# Allegro board BRD_05101_01_rev_b01_aa.brd (continued)
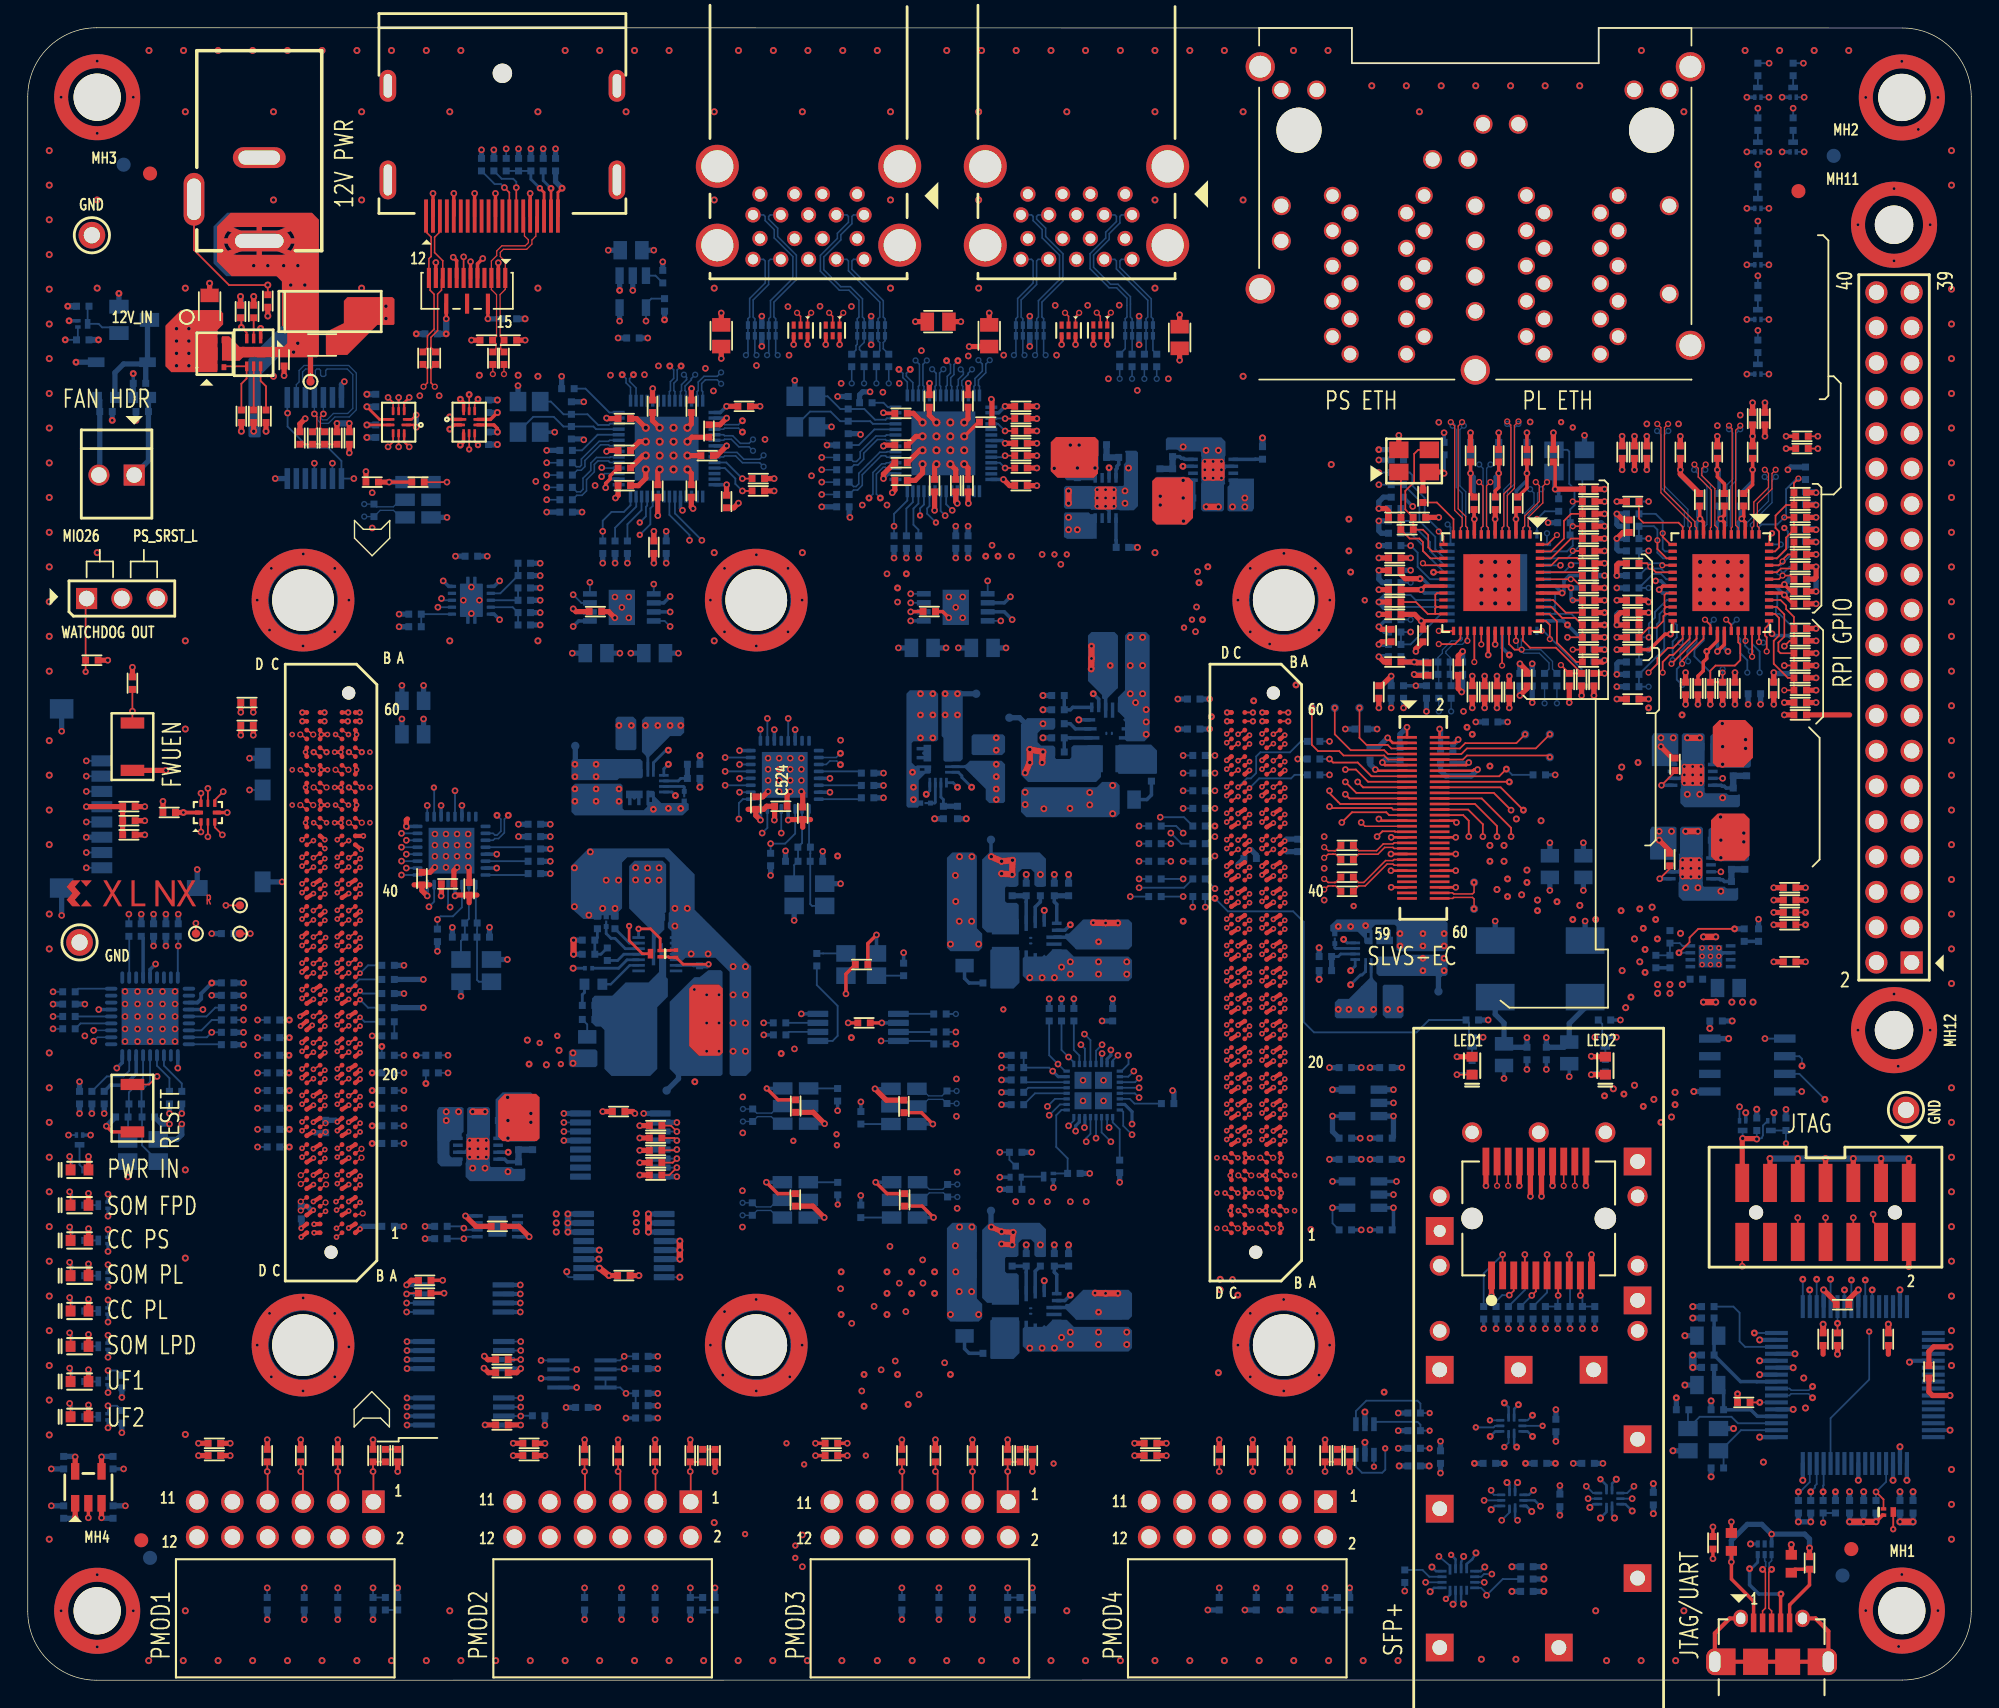
[diagram p0: board, top side]
## Routing (per net, layer and track width the routed paths; a pad name or vN(x,y) marks a point on that pad's centre or on a via; arc(x,y) is an arc through that point) (continued)
N4424560: length 2.5
  BOTTOM w0.132: R488.2 71.57,35.4 Q33.1 71.61,36.27 Q34.3
N4546556: length 2.1
  BOTTOM w0.132: U85.7 v5(35.51,19.03) 35.53,19.05 R487.1
N4939590: length 2.4
  BOTTOM w0.132: U91.2 54.83,46.69 R507.2

## Copper pours and planes (outline as drawn; the poured copper is in the pictures)
5V0_IN on TOP (solid shape): 50.07,49.82 50.07,45.19 49.85,44.97 48.35,44.97 47.65,45.67 47.65,49.82 47.92,50.09 49.8,50.09
5V0_IN on BOTTOM (solid shape): 50.05,51.01 50.05,43.64 49.92,43.52 46.75,43.52 46.24,44.03 46.24,48.85 48.02,50.63 48.4,50.63 49.03,51.14 49.92,51.14
5V0_IN on BOTTOM (solid shape): 78.53,75.23 78.53,71.47 77.73,70.66 77.52,70.66 77.46,70.66 77.39,70.72 77.39,70.94 76.37,71.96 76.37,75.23 76.63,75.48 78.28,75.48
5V0_IN on BOTTOM (solid shape): 79.55,54.53 79.55,52.88 79.29,52.62 75.53,52.62 74.73,53.43 74.73,53.63 74.72,53.7 74.79,53.77 75.01,53.77 76.03,54.78 79.29,54.78
5V0_IN on BOTTOM (solid shape): 79.55,27.86 79.55,26.21 79.29,25.95 75.53,25.95 74.73,26.76 74.73,26.96 74.72,27.03 74.79,27.1 75.01,27.1 76.03,28.11 79.29,28.11
5V0_IN on BOTTOM (solid shape): 47.29,69.26 47.29,68.25 47.04,67.99 46.27,67.99 44.72,66.44 44.64,66.41 44.56,66.47 44.5,66.59 44.24,66.85 44.24,69.13 44.5,69.39 47.16,69.39
5V0_IN on BOTTOM (solid shape): 70.4,65.96 70.4,63.29 70.28,63.17 69.26,63.17 69.01,63.42 69.01,64.18 67.46,65.73 67.43,65.82 67.48,65.9 67.61,65.96 67.86,66.21 70.15,66.21
5V0_IN on BOTTOM (solid shape): 96.72,50.62 96.81,50.65 96.88,50.59 96.95,50.47 97.2,50.21 97.2,47.93 96.95,47.67 94.28,47.67 94.15,47.8 94.15,48.81 94.41,49.07 95.17,49.07
5V0_IN on BOTTOM (solid shape): 31.39,41.19 31.39,39.5 31.27,39.37 31.27,38.99 31.16,38.91 30.53,38.91 30.44,38.81 30.38,38.73 30.38,38.65 30.38,37.9 30.38,37.84 30.39,37.83 30.48,37.69 30.63,37.64 31.21,37.64 31.27,37.59 31.29,37.38 31.29,37.13 31.16,37 29.76,37 29.51,37.26 29.49,39.3 29.49,41.05 29.62,41.27 31.27,41.27
5V0_IN on L08_PWR: 55.07,26.72 52.48,27.79 51.1,27.52 49.92,26.75 49.32,27.35 47.04,27.35 46.27,28.11 46.27,29.76 44.24,31.8 44.24,33.83 45.39,34.97 66.47,34.97 66.47,46.5 55.04,46.5 55.04,44.5 38.15,44.5 32.56,38.91 30.4,38.91 29.76,39.54 29.76,62.53 30.78,63.55 34.84,63.55 35.73,62.66 35.73,59.99 36.24,59.48 37.51,59.48 38.15,58.85 38.15,56.18 38.65,55.67 45.7,55.67 47.8,57.89 47.8,64.18 38.78,73.2 38.78,77.52 39.04,77.77 48.89,77.77 52.48,74.2 56.07,77.77 76.63,77.77 78.66,75.74 78.66,69.77 70.79,69.77 70.79,59.86 91.99,59.86 91.99,49.83 97.07,49.83 97.33,49.58 97.33,20.75 94,17.42 59.26,17.42 55.1,21.58 55.87,22.75 56.14,24.13 ; 1 cut-out
5V0_IN on L12_SIG: 41.58,34.46 44.88,34.46 45.51,33.83 45.51,29.26 44.62,28.37 41.32,28.37 40.69,29 40.69,33.57
5V0_IN_SW on BOTTOM (solid shape): 45.99,51.9 45.99,50.63 46.11,50.5 46.11,49.23 45.35,48.47 45.35,44.03 44.84,43.52 42.05,43.52 41.54,44.03 41.54,46.82 41.29,47.07 40.91,47.07 40.65,47.33 40.65,49.11 40.84,49.3 42.11,49.3 43.07,50.25 44.72,50.25 45.48,51.01 45.48,52.15 45.61,52.28
12V_IN on TOP (solid shape): 14.08,98.44 14.08,97.64 13.67,97.23 13.67,94.25 13.62,94.19 10.34,94.19 9.91,94.63 9.91,97.55 11.03,98.67 13.85,98.67
12V_IN on BOTTOM (solid shape): 45.99,58.76 45.99,55.33 45.86,55.2 45.86,54.06 45.22,53.42 45.22,52.41 44.97,52.41 44.97,53.93 43.32,55.58 43.32,58.63 43.7,59.01 45.73,59.01
12V_IN on L07_PWR: 1.82,95.8 3.22,97.2 18.72,97.2 21.26,94.66 21.26,83.61 20.24,82.6 19.1,82.6 14.52,78.02 14.52,67.23 15.16,66.59 47.93,66.59 48.56,65.96 48.56,57.7 48.05,57.2 42.59,57.2 40.94,55.55 40.94,51.48 39.42,49.96 4.49,49.96 1.82,52.62
12V_IN on L08_PWR: 9.95,83.87 9.95,96.06 10.21,96.31 19.6,96.31 21.26,94.66 21.26,87.17 30.91,77.52 33.32,77.52 46.91,63.93 46.91,57.83 45.64,56.56 38.91,56.56 38.53,56.94 38.53,59.48 38.02,59.99 37,59.99 36.24,60.75 36.24,62.78 34.97,64.05 29,64.05 28.24,64.82 28.24,72.56 27.61,73.2 15.67,73.2 13.19,75.68 13.19,80.88 12.24,81.83 11.98,81.83 ; 1 cut-out
12V_IN_JACK on TOP (solid shape): outline of 96 points within 13.64,95.26 20.97,105.68
12V_IN_JACK on BOTTOM (solid shape): outline of 97 points within 13.38,89.5 20.97,105.68
12V_IN_SOURCE on TOP (solid shape): 15.26,96.03 15.58,96.03 15.62,96.02 15.65,96.02 16.13,96.02 16.13,95.39 16.01,95.26 15.51,95.26 15.26,95.01 14.4,95.01 14.35,95.02 14.31,95.03 13.99,95.03 13.99,96.79 14.5,96.79
GND on TOP (solid shape): 33.26,38.84 33.26,37.73 33.02,37.49 31.83,37.49 31.6,37.72 31.6,38.84 31.82,39.06 33.04,39.06
GND on TOP (solid shape): 78.43,85.73 78.43,84.54 78.2,84.31 77.08,84.31 76.86,84.53 76.86,85.75 77.08,85.97 78.19,85.97
GND on TOP (solid shape): 86.22,87.72 86.22,86.6 86,86.38 84.78,86.38 84.56,86.6 84.56,87.71 84.8,87.95 85.99,87.95
GND on TOP (solid shape): 120.64,59.03 120.64,57.92 120.4,57.68 119.21,57.68 118.98,57.91 118.98,59.03 119.2,59.25 120.42,59.25
GND on TOP (solid shape): 120.77,65.76 120.77,64.65 120.53,64.41 119.34,64.41 119.11,64.64 119.11,65.09 119.16,65.17 119.17,65.26 119.17,65.83 119.32,65.98 120.54,65.98
GND on TOP (solid shape): 26.42,99.46 26.42,97.68 26.35,97.6 25.18,97.6 23.02,95.44 21.52,95.44 21.47,95.49 21.47,97.09 22.77,97.73 22.77,99.33 23.02,99.6 26.27,99.6
GND on TOP (solid shape): outline of 229 points within 1.9,110.9 8.1,117.1
GND on TOP (solid shape): outline of 229 points within 1.9,1.9 8.1,8.1
GND on TOP (solid shape): outline of 229 points within 131.34,101.71 137.54,107.92
GND on TOP (solid shape): outline of 229 points within 131.34,43.71 137.54,49.92
GND on TOP (solid shape): outline of 229 points within 131.9,110.88 138.1,117.08
GND on TOP (solid shape): outline of 229 points within 131.9,1.91 138.1,8.12
GND on TOP (solid shape): outline of 248 points within 16.13,74.08 23.53,81.48
GND on TOP (solid shape): outline of 248 points within 16.13,20.43 23.53,27.83
GND on TOP (solid shape): outline of 248 points within 48.78,74.08 56.18,81.48
GND on TOP (solid shape): outline of 248 points within 48.78,20.43 56.18,27.83
GND on TOP (solid shape): outline of 248 points within 86.78,74.08 94.18,81.48
GND on TOP (solid shape): outline of 248 points within 86.78,20.43 94.18,27.83
GND on BOTTOM (solid shape): 41.03,45.3 41.03,44.28 40.91,44.15 39.13,44.15 38.98,44.31 38.98,45.27 39.13,45.42 40.91,45.42
GND on BOTTOM (solid shape): 43.84,69.16 43.84,67.07 43.74,66.98 42.46,66.98 42.34,67.1 42.34,69.23 42.5,69.39 43.61,69.39
GND on BOTTOM (solid shape): 70.4,67.96 70.4,66.85 70.18,66.62 68.08,66.62 67.99,66.71 67.99,67.99 68.12,68.12 70.24,68.12
GND on BOTTOM (solid shape): 99.11,49.96 99.11,47.83 98.95,47.67 97.84,47.67 97.61,47.9 97.61,49.99 97.7,50.08 98.98,50.08
GND on BOTTOM (solid shape): 68.37,59.36 68.37,54.15 68.75,53.77 68.75,52.75 68.5,52.5 66.47,52.5 66.21,52.75 66.21,59.23 66.59,59.61 68.12,59.61
GND on BOTTOM (solid shape): 68.37,32.69 68.37,27.48 68.75,27.1 68.75,26.08 68.5,25.83 66.47,25.83 66.21,26.08 66.21,32.56 66.59,32.94 68.12,32.94
GND on BOTTOM (solid shape): 78.66,64.44 78.66,62.4 78.41,62.15 71.93,62.15 71.55,62.53 71.55,64.05 71.8,64.31 77.01,64.31 77.39,64.69 78.41,64.69
GND on BOTTOM (solid shape): 75.36,52.12 79.29,52.12 79.55,51.86 79.55,50.59 79.29,50.34 72.06,50.34 71.67,50.72 71.67,51.99 71.8,52.12 73.33,52.12 73.83,52.62 74.85,52.62
GND on BOTTOM (solid shape): 75.36,25.45 79.29,25.45 79.55,25.19 79.55,23.92 79.29,23.67 72.06,23.67 71.67,24.05 71.67,25.32 71.8,25.45 73.33,25.45 73.83,25.95 74.85,25.95
GND on BOTTOM (solid shape): 80.82,75.23 80.82,67.99 80.44,67.61 79.17,67.61 79.04,67.74 79.04,69.26 78.53,69.77 78.53,70.79 79.04,71.29 79.04,75.23 79.29,75.48 80.56,75.48
GND on BOTTOM (solid shape): 42.85,64.44 42.85,64.32 42.84,64.32 42.84,63.26 42.85,63.26 42.85,62.78 42.97,62.66 44.37,62.66 44.62,62.91 44.62,63.24 44.98,63.24 44.98,63.57 44.77,63.57 44.77,63.24 44.62,63.24 44.62,64.05 45,64.05 45.13,63.93 45.13,63.67 45.64,63.17 47.16,63.17 47.16,63.2 47.42,63.2 47.42,63.17 47.54,63.17 47.62,63.1 47.62,62.7 47.16,62.28 39.42,62.28 39.16,62.53 39.16,64.31 39.42,64.56 42.72,64.56
GND on BOTTOM (solid shape): 65.58,71.04 65.58,67.74 65.45,67.61 65.33,67.61 65.33,67.62 64.27,67.62 64.27,67.61 63.8,67.61 63.67,67.48 63.67,66.09 63.93,65.83 65.07,65.83 65.07,65.45 64.94,65.32 64.69,65.32 64.18,64.82 64.18,63.29 64.22,63.29 64.22,63.04 64.18,63.04 64.18,62.91 64.12,62.84 63.41,62.84 63.29,62.96 63.29,65.48 64.59,65.48 64.59,65.68 64.26,65.68 64.26,65.48 63.29,65.48 63.29,71.04 63.55,71.29 65.32,71.29
GND on BOTTOM (solid shape): 102.28,54.53 102.28,52.75 102.03,52.5 98.73,52.5 98.6,52.62 98.6,52.74 98.6,52.74 98.6,53.8 98.6,53.8 98.6,54.28 98.47,54.4 97.07,54.4 96.82,54.15 96.82,53.01 96.44,53.01 96.31,53.13 96.31,53.39 96.21,53.49 96.67,53.49 96.67,53.82 96.47,53.82 96.47,53.49 96.21,53.49 95.8,53.89 94.28,53.89 94.28,53.86 94.03,53.86 94.03,53.89 93.9,53.89 93.83,53.96 93.83,54.36 94.28,54.78 102.03,54.78
GND on BOTTOM (solid shape): 48.04,58.03 48.04,55.49 52.12,51.41 52.12,43.9 51.74,43.52 50.69,43.52 50.56,43.64 50.56,51.01 49.54,52.03 47.38,52.03 47.19,51.83 46.37,51.83 46.37,53.93 46.11,54.19 46.11,54.54 46.15,54.61 46.17,54.69 46.17,55.26 46.24,55.33 46.24,58.88 45.86,59.27 43.19,59.27 42.81,58.88 42.81,55.58 42.56,55.33 42.56,54.82 42.1,54.82 42.1,54.83 42,54.83 42,55.09 41.34,55.09 41.34,54.83 41.24,54.83 41.24,54.82 40.02,54.82 39.13,55.61 39.13,58.63 40.4,59.9 46.17,59.9
GND on BOTTOM (solid shape): 79.98,88.42 79.98,84.55 79.68,84.25 78.67,84.24 78.66,84.25 78.59,84.28 78.52,84.29 78.27,84.29 78.2,84.28 78.14,84.26 78.08,84.28 78.02,84.29 77.77,84.29 77.7,84.28 77.64,84.26 77.58,84.28 77.52,84.29 76.77,84.29 76.72,84.29 76.67,84.27 76.64,84.26 76.55,84.35 74.77,84.35 74.64,84.48 74.64,85.88 74.77,86 76.67,86 76.72,85.99 76.77,85.98 78.52,85.98 78.57,85.99 78.62,86 78.89,86 78.96,86.07 78.96,87.58 79.06,87.67 79.09,87.8 79.09,88.31 79.08,88.38 79.05,88.45 79.03,88.49 79.09,88.54 79.85,88.54
GND on BOTTOM (solid shape): 33.3,41.15 33.3,39.25 33.28,39.2 33.28,39.15 33.28,38.9 33.28,38.85 33.3,38.8 33.3,38.75 33.28,38.7 33.28,38.65 33.28,38.4 33.28,38.35 33.3,38.3 33.3,38.25 33.28,38.2 33.28,38.15 33.28,37.4 33.28,37.35 33.3,37.3 33.3,37.03 33.37,36.96 34.87,36.96 34.97,36.86 35.1,36.82 35.61,36.82 35.68,36.83 35.75,36.86 35.78,36.89 35.84,36.83 35.84,36.07 35.71,35.94 31.85,35.94 31.54,36.24 31.54,37.25 31.54,37.26 31.58,37.33 31.59,37.4 31.59,37.65 31.58,37.71 31.55,37.77 31.58,37.83 31.59,37.9 31.59,38.15 31.58,38.21 31.55,38.27 31.58,38.33 31.59,38.4 31.59,38.65 31.58,38.71 31.55,38.77 31.58,38.83 31.59,38.9 31.59,39.15 31.58,39.2 31.57,39.24 31.55,39.27 31.65,39.37 31.65,41.15 31.78,41.27 33.17,41.27
GND on BOTTOM (solid shape): 86.28,89.2 86.29,88.2 86.28,88.18 86.25,88.12 86.24,88.04 86.24,87.79 86.25,87.73 86.27,87.67 86.25,87.61 86.24,87.54 86.24,87.29 86.25,87.23 86.27,87.17 86.25,87.11 86.24,87.04 86.24,86.79 86.25,86.73 86.27,86.67 86.25,86.61 86.24,86.54 86.24,86.29 86.24,86.24 86.26,86.2 86.27,86.17 86.17,86.07 86.17,84.3 86.05,84.17 84.65,84.17 84.52,84.3 84.52,86.19 84.54,86.25 84.54,86.29 84.54,86.54 84.54,86.59 84.52,86.65 84.52,86.69 84.54,86.75 84.54,86.79 84.54,87.04 84.54,87.09 84.52,87.15 84.52,87.19 84.54,87.25 84.54,87.29 84.54,88.04 84.54,88.09 84.52,88.15 84.52,88.42 84.45,88.49 82.95,88.49 82.85,88.58 82.72,88.62 82.21,88.62 82.14,88.61 82.08,88.58 82.04,88.56 81.98,88.61 81.98,89.38 82.11,89.5 85.98,89.5
GND on BOTTOM (solid shape): 120.68,61.34 120.68,59.44 120.66,59.39 120.65,59.34 120.65,59.09 120.66,59.04 120.68,58.99 120.68,58.94 120.66,58.89 120.65,58.84 120.65,58.59 120.66,58.54 120.68,58.49 120.68,58.44 120.66,58.39 120.65,58.34 120.65,57.59 120.66,57.54 120.68,57.49 120.68,57.22 120.75,57.15 122.25,57.15 122.34,57.05 122.47,57.02 122.98,57.02 123.06,57.03 123.12,57.06 123.16,57.08 123.22,57.02 123.22,56.26 123.09,56.13 119.22,56.13 118.92,56.43 118.91,57.44 118.92,57.45 118.95,57.52 118.96,57.59 118.96,57.84 118.95,57.91 118.93,57.97 118.95,58.03 118.96,58.09 118.96,58.34 118.95,58.41 118.93,58.47 118.95,58.53 118.96,58.59 118.96,58.84 118.95,58.91 118.93,58.97 118.95,59.03 118.96,59.09 118.96,59.34 118.96,59.39 118.94,59.44 118.93,59.47 119.02,59.56 119.02,61.34 119.15,61.47 120.55,61.47
GND on BOTTOM (solid shape): 120.8,68.07 120.8,66.18 120.79,66.12 120.78,66.07 120.78,65.82 120.79,65.77 120.8,65.72 120.8,65.67 120.79,65.62 120.78,65.57 120.78,65.32 120.79,65.27 120.8,65.22 120.8,65.17 120.79,65.12 120.78,65.07 120.78,64.32 120.79,64.27 120.8,64.22 120.8,63.95 120.87,63.88 122.38,63.88 122.47,63.78 122.6,63.75 123.11,63.75 123.18,63.76 123.25,63.79 123.28,63.81 123.34,63.75 123.34,62.99 123.22,62.86 119.35,62.86 119.05,63.17 119.04,64.17 119.05,64.18 119.08,64.25 119.09,64.32 119.09,64.57 119.08,64.64 119.06,64.7 119.08,64.76 119.09,64.82 119.09,65.07 119.08,65.14 119.06,65.2 119.08,65.26 119.09,65.32 119.09,65.57 119.08,65.64 119.06,65.7 119.08,65.76 119.09,65.82 119.09,66.07 119.08,66.12 119.07,66.17 119.06,66.2 119.15,66.29 119.15,68.07 119.28,68.2 120.68,68.2
GND on BOTTOM (solid shape): outline of 229 points within 1.9,110.9 8.1,117.1
GND on BOTTOM (solid shape): outline of 229 points within 1.9,1.9 8.1,8.1
GND on BOTTOM (solid shape): outline of 229 points within 131.34,101.72 137.54,107.91
GND on BOTTOM (solid shape): outline of 229 points within 131.34,43.72 137.54,49.91
GND on BOTTOM (solid shape): outline of 229 points within 131.9,110.88 138.1,117.08
GND on BOTTOM (solid shape): outline of 229 points within 131.9,1.91 138.1,8.11
GND on BOTTOM (solid shape): outline of 248 points within 16.13,74.08 23.53,81.48
GND on BOTTOM (solid shape): outline of 248 points within 16.13,20.43 23.53,27.83
GND on BOTTOM (solid shape): outline of 248 points within 48.78,74.08 56.18,81.48
GND on BOTTOM (solid shape): outline of 248 points within 48.78,20.43 56.18,27.83
GND on BOTTOM (solid shape): outline of 248 points within 86.78,74.08 94.18,81.48
GND on BOTTOM (solid shape): outline of 248 points within 86.78,20.43 94.18,27.83
GND on TOP: 121.81,52.92 120.62,52.92 120.38,52.68 120.38,51.57 120.61,51.35 121.83,51.35 122.05,51.57 122.05,52.69
GND on BOTTOM: 120.33,50.86 120.46,50.99 120.46,53.02 119.95,53.53 118.04,53.53 118.04,54.29 118.17,54.42 121.85,54.42 121.98,54.29 121.98,49.34 122,49.32 122,48.83 121.74,48.58 120.47,48.58 120.33,48.72
GND on L02_GND: 0.68,0.68 0.68,118.3 94.75,118.3 94.75,115.81 113.8,115.81 113.8,118.3 139.32,118.3 139.32,0.69 ; 113 cut-outs
GND on L03_SIG: 5.63,71.67 8.17,71.67 10.08,73.58 10.08,83.74 17.06,90.72 17.06,94.53 23.41,100.88 26.72,100.88 27.57,101.73 27.57,106.54 28.74,107.71 30.91,107.71 30.92,107.7 33.14,107.7 33.54,108.1 38.58,108.1 39.22,107.46 39.22,101.72 40.05,100.88 46.27,100.88 47.54,102.15 47.54,109.14 50.08,111.68 77.39,111.68 80.56,108.5 80.56,96.44 76.75,92.63 64.69,92.63 63.42,91.36 63.42,83.1 64.05,82.47 71.67,82.47 75.48,86.28 88.82,86.28 92.63,90.09 92.63,115.49 90.09,118.03 6.9,118.03 2.46,113.58 2.46,102.79 6.27,98.98 6.27,93.26 4.36,91.36 4.36,72.94
GND on L03_SIG: 106.6,50.72 109.14,48.18 109.14,44.37 111.68,41.83 111.68,39.92 109.52,37.77 108,37.77 106.98,38.78 105.58,38.78 104.06,37.26 104.06,32.3 102.15,30.4 98.34,30.4 95.17,33.57 95.17,52.62 98.98,56.43 103.42,56.43 104.69,57.7 105.96,57.7 106.6,57.07 ; 1 cut-out
GND on L03_SIG: 9.44,1.19 49.45,1.19 50.08,1.82 50.08,11.35 49.45,11.98 26.59,11.98 22.14,16.43 15.79,16.43 6.9,25.32 5,25.32 1.19,21.51 1.19,10.08 3.09,8.17 6.9,8.17 8.17,6.9 8.17,2.46
GND on L04_GND: 0.68,0.68 0.68,118.3 94.75,118.3 94.75,115.81 113.8,115.81 113.8,118.3 139.32,118.3 139.32,0.7 ; 12 cut-outs
GND on L05_SIG: outline of 86 points within 2.46,53.89 112.31,118.03
GND on L06_GND: 0.68,0.7 0.68,118.32 94.75,118.32 94.75,115.81 113.8,115.81 113.8,118.32 139.32,118.32 139.32,0.71
GND on L07_PWR: 97.71,1.19 119.3,1.19 121.2,3.09 136.44,3.09 138.98,5.63 138.98,13.89 137.71,15.16 97.71,15.16 96.44,13.89 96.44,2.46
GND on L07_PWR: 88.18,93.26 99.61,93.26 101.52,95.17 101.52,107.87 100.25,109.14 100.25,112.95 97.71,115.49 93.9,115.49 91.36,118.03 6.27,118.03 1.19,112.95 1.19,99.61 2.46,98.34 27.22,98.34 40.56,111.68 83.74,111.68 86.91,108.5 86.91,94.53
GND on L08_PWR: 138.98,98.98 138.98,111.04 132,118.03 116.12,118.03 114.22,116.12 114.22,108.5 114.85,107.87 121.84,107.87 121.84,98.34 123.74,96.44 128.19,96.44 130.09,98.34 138.35,98.34
GND on L08_PWR: 2.46,16.43 93.26,16.43 94.53,15.16 94.53,1.82 93.9,1.19 8.17,1.19 1.19,8.17 1.19,15.16
GND on L09_GND: 0.69,0.69 0.69,118.3 94.75,118.3 94.75,115.81 113.8,115.81 113.8,118.3 139.31,118.3 139.31,0.7
GND on L10_SIG: 38.65,89.45 38.65,72.94 39.92,71.67 56.43,71.67 58.34,73.58 58.34,78.02 62.78,82.47 71.67,82.47 72.31,83.1 72.31,88.18 70.4,90.09 59.61,90.09 58.34,88.82 58.34,87.55 56.43,85.64 48.18,85.64 46.91,86.91 46.91,90.72 46.27,91.36 40.56,91.36
GND on L10_SIG: 6.9,83.74 18.33,95.17 35.48,95.17 37.55,93.1 42.56,93.1 49.35,99.9 71.56,99.9 75.04,96.42 75.04,95.21 75.72,94.53 83.1,94.53 86.28,97.71 86.28,113.58 81.83,118.03 7.54,118.03 1.19,111.68 1.19,85.01 2.46,83.74
GND on L10_SIG: 10.08,1.19 53.89,1.19 54.53,1.82 54.53,18.33 52.62,20.24 49.45,20.24 48.18,21.51 48.18,24.23 46.5,25.92 26.18,25.92 23.61,28.49 15.16,28.49 8.17,21.51 8.17,3.09
GND on L11_GND: 0.69,0.69 0.69,118.31 94.75,118.31 94.75,115.81 113.8,115.81 113.8,118.31 139.31,118.31 139.31,0.7 ; 27 cut-outs
GND on L12_SIG: 28.62,96.44 28.62,103.09 29.89,104.36 29.89,107.82 31.21,109.14 40.56,109.14 43.73,105.96 43.73,102.79 45.64,100.88 84.37,100.88 86.91,103.42 86.91,115.49 84.37,118.03 7.54,118.03 1.19,111.68 1.19,101.21 1.57,100.83 5.56,100.83 10.38,96.01 28.19,96.01
GND on L12_SIG: 6.27,1.19 29.13,1.19 29.76,1.82 29.76,7.54 21.51,15.79 21.51,24.68 13.89,32.3 13.89,40.56 11.98,42.46 2.46,42.46 1.19,41.19 1.19,6.27
GND on L12_SIG: 55.16,1.19 96.44,1.19 97.07,1.82 97.07,11.35 94.21,14.21 54.85,14.21 53.26,12.62 53.26,3.09
GND on L13_GND: 0.69,0.69 0.69,118.31 94.75,118.31 94.75,115.81 113.8,115.81 113.8,118.31 139.32,118.31 139.32,0.7 ; 42 cut-outs
(no net) on TOP: 26.42,99.46 26.42,97.68 26.35,97.6 25.18,97.6 23.02,95.44 21.52,95.44 21.47,95.49 21.47,97.09 22.77,97.73 22.77,99.33 23.02,99.6 26.27,99.6
(no net) on TOP: 119.34,64.41 120.53,64.41 120.77,64.65 120.77,65.76 120.54,65.98 119.32,65.98 119.11,65.76 119.11,64.64
(no net) on TOP: 50.07,49.82 50.07,45.19 49.85,44.97 48.35,44.97 47.65,45.67 47.65,49.82 47.92,50.09 49.8,50.09
(no net) on TOP: 83.64,86.62 83.94,86.32 83.94,83.7 83.46,83.22 81.32,83.22 81,83.54 81,86.37 81.25,86.62
(no net) on TOP: 13.85,98.67 11.03,98.67 9.91,97.55 9.91,94.63 10.34,94.19 13.62,94.19 13.67,94.25 13.67,97.23 14.08,97.64 14.08,98.44
(no net) on TOP: 34.19,38.82 33.88,39.13 33.88,41.74 34.36,42.23 36.62,42.23 36.88,41.97 36.88,39.04 36.66,38.82
(no net) on TOP: 121.69,65.75 121.38,66.05 121.38,68.67 121.87,69.15 123.72,69.15 124.28,68.59 124.28,66.43 123.59,65.75
(no net) on TOP: 85.99,87.95 84.8,87.95 84.56,87.71 84.56,86.6 84.78,86.38 86,86.38 86.22,86.6 86.22,87.72
(no net) on TOP: 20.84,95.26 20.97,95.4 20.97,105.17 20.47,105.68 14.62,105.68 13.64,104.69 13.64,102.15 14.68,101.11 17.93,101.11 18.31,100.73 18.31,97.55 18.69,97.17 18.69,96.28 18.43,96.03 16.4,96.03 16.4,95.39 16.53,95.26
(no net) on TOP: 77.1,88.11 77.1,86.89 76.79,86.59 74.17,86.59 73.69,87.07 73.69,89.15 74.07,89.53 76.88,89.53 77.14,89.28 77.14,88.15
(no net) on TOP: 121.56,59.02 121.26,59.32 121.26,61.94 121.74,62.42 123.64,62.42 124.04,62.02 124.04,59.39 123.66,59.02
(no net) on TOP: 78.43,84.54 78.43,85.73 78.19,85.97 77.08,85.97 76.86,85.75 76.86,84.53 77.08,84.31 78.2,84.31
(no net) on TOP: 15.51,95.26 15.26,95.01 13.99,95.01 13.99,96.79 14.5,96.79 15.26,96.03 16.13,96.03 16.13,95.39 16.01,95.26
(no net) on TOP: 31.83,37.49 33.02,37.49 33.26,37.73 33.26,38.84 33.04,39.06 31.82,39.06 31.6,38.84 31.6,37.72
(no net) on TOP: 119.21,57.68 120.4,57.68 120.64,57.92 120.64,59.03 120.42,59.25 119.2,59.25 118.98,59.03 118.98,57.91
(no net) on BOTTOM: 75.53,52.62 74.77,53.39 73.96,53.39 73.96,53.63 74.65,53.63 74.79,53.77 75.01,53.77 76.03,54.78 79.29,54.78 79.55,54.53 79.55,52.88 79.29,52.62
(no net) on BOTTOM: 123.87,58.97 124,59.1 124,61.13 123.74,61.39 121.2,61.39 121.08,61.26 121.08,59.1 121.2,58.97
(no net) on BOTTOM: 120.8,63.95 120.87,63.88 123.22,63.88 123.34,63.75 123.34,62.99 123.22,62.86 119.35,62.86 119.05,63.17 119.02,66.17 119.15,66.29 119.15,68.07 119.28,68.2 120.68,68.2 120.8,68.07
(no net) on BOTTOM: 81.33,86.66 81.2,86.53 81.2,84.5 81.45,84.25 83.99,84.25 84.12,84.37 84.12,86.53 83.99,86.66
(no net) on BOTTOM: 65.96,66.24 65.96,67.86 65.83,67.99 65.83,71.17 65.96,71.29 67.23,71.29 67.36,71.17 67.36,66.34 67.18,66.17 66.04,66.17
(no net) on BOTTOM: 50.05,51.01 49.92,51.14 49.03,51.14 48.4,50.63 48.02,50.63 46.24,48.85 46.24,44.03 46.75,43.52 49.92,43.52 50.05,43.64
(no net) on BOTTOM: 71.67,50.72 72.06,50.34 79.29,50.34 79.55,50.59 79.55,51.86 79.29,52.12 75.36,52.12 74.85,52.62 73.83,52.62 73.33,52.12 71.8,52.12 71.67,51.99
(no net) on BOTTOM: 67.86,66.21 70.15,66.21 70.4,65.96 70.4,63.29 70.28,63.17 69.26,63.17 69.01,63.42 69.01,64.18 67.36,65.83 67.61,65.96
(no net) on BOTTOM: 124,65.71 124.13,65.83 124.13,67.86 123.87,68.12 121.33,68.12 121.2,67.99 121.2,65.83 121.33,65.71
(no net) on BOTTOM: 71.37,25.96 71.44,25.88 71.44,23.56 71.02,23.14 69.39,23.14 69.33,23.19 69.33,25.88 69.39,25.96
(no net) on BOTTOM: 71.39,27.25 71.32,27.18 69.11,27.18 68.75,27.53 68.75,32.43 69.26,32.94 72.89,32.94 73.35,32.49 73.35,30.53 73.29,30.48 72.64,30.48 72.51,30.6 72.51,31.49 72.26,31.75 71.62,31.75 71.37,31.49 71.37,30.6 71.24,30.48 70.48,30.48 70.4,30.4 70.4,29.43 70.53,29.31 71.24,29.31 71.39,29.16
(no net) on BOTTOM: 120.68,57.22 120.75,57.15 123.09,57.15 123.22,57.02 123.22,56.26 123.09,56.13 119.22,56.13 118.92,56.43 118.9,59.43 119.02,59.56 119.02,61.34 119.15,61.47 120.55,61.47 120.68,61.34
(no net) on BOTTOM: 75.53,25.95 74.77,26.72 73.96,26.72 73.96,26.96 74.65,26.96 74.79,27.1 75.01,27.1 76.03,28.11 79.29,28.11 79.55,27.86 79.55,26.21 79.29,25.95
(no net) on BOTTOM: 68.37,54.15 68.37,59.36 68.12,59.61 66.59,59.61 66.21,59.23 66.21,52.75 66.47,52.5 68.5,52.5 68.75,52.75 68.75,53.77
(no net) on BOTTOM: 68.37,27.48 68.37,32.69 68.12,32.94 66.59,32.94 66.21,32.56 66.21,26.08 66.47,25.83 68.5,25.83 68.75,26.08 68.75,27.1
(no net) on BOTTOM: 97.84,47.67 98.95,47.67 99.11,47.83 99.11,49.96 98.98,50.08 97.7,50.08 97.61,49.99 97.61,47.9
(no net) on BOTTOM: 33.3,37.03 33.37,36.96 35.71,36.96 35.84,36.83 35.84,36.07 35.71,35.94 31.85,35.94 31.54,36.24 31.52,39.24 31.65,39.37 31.65,41.15 31.78,41.27 33.17,41.27 33.3,41.15
(no net) on BOTTOM: 78.53,71.47 77.77,70.71 77.77,69.9 77.52,69.9 77.52,70.59 77.39,70.72 77.39,70.94 76.37,71.96 76.37,75.23 76.63,75.48 78.28,75.48 78.53,75.23
(no net) on BOTTOM: 70.4,66.85 70.4,67.96 70.24,68.12 68.12,68.12 67.99,67.99 67.99,66.71 68.08,66.62 70.18,66.62
(no net) on BOTTOM: 74.72,84.1 76.42,84.1 76.55,83.97 76.93,83.97 77.01,83.87 77.01,82.2 76.62,82.19 74.87,82.19 74.64,82.32 74.64,83.97
(no net) on BOTTOM: 71.39,53.92 71.32,53.85 69.11,53.85 68.75,54.2 68.75,59.1 69.26,59.61 72.89,59.61 73.35,59.16 73.35,57.2 73.29,57.15 72.64,57.15 72.51,57.27 72.51,58.16 72.26,58.42 71.62,58.42 71.37,58.16 71.37,57.27 71.24,57.15 70.48,57.15 70.4,57.07 70.4,56.1 70.53,55.98 71.24,55.98 71.39,55.83
(no net) on BOTTOM: 41.03,45.3 41.03,44.28 40.91,44.15 39.13,44.15 38.98,44.31 38.98,45.27 39.13,45.42 40.91,45.42
(no net) on BOTTOM: 80.44,67.61 80.82,67.99 80.82,75.23 80.56,75.48 79.29,75.48 79.04,75.23 79.04,71.29 78.53,70.79 78.53,69.77 79.04,69.26 79.04,67.74 79.17,67.61
(no net) on BOTTOM: 51.74,43.52 50.69,43.52 50.56,43.64 50.56,51.01 49.54,52.03 47.38,52.03 47.13,51.77 46.37,51.77 46.37,53.93 46.11,54.19 46.11,55.2 46.24,55.33 46.24,58.88 45.86,59.27 43.19,59.27 42.81,58.88 42.81,55.58 42.56,55.33 42.56,54.82 40.02,54.82 39.13,55.61 39.13,58.63 40.4,59.9 46.17,59.9 48.04,58.03 48.04,55.49 52.12,51.41 52.12,43.9
(no net) on BOTTOM: 97.23,52.11 98.85,52.11 98.98,52.24 102.15,52.24 102.28,52.12 102.28,50.85 102.15,50.72 97.33,50.72 97.16,50.89 97.16,52.04
(no net) on BOTTOM: 44.24,66.85 44.24,69.13 44.5,69.39 47.16,69.39 47.29,69.26 47.29,68.25 47.04,67.99 46.27,67.99 44.62,66.34 44.5,66.59
(no net) on BOTTOM: 78.89,86 78.96,86.07 78.96,88.42 79.09,88.54 79.85,88.54 79.98,88.42 79.98,84.55 79.68,84.25 76.68,84.23 76.55,84.35 74.77,84.35 74.64,84.48 74.64,85.88 74.77,86
(no net) on BOTTOM: 71.67,24.05 72.06,23.67 79.29,23.67 79.55,23.92 79.55,25.19 79.29,25.45 75.36,25.45 74.85,25.95 73.83,25.95 73.33,25.45 71.8,25.45 71.67,25.32
(no net) on BOTTOM: 44.62,64.05 45,64.05 45.13,63.93 45.13,63.67 45.64,63.17 47.16,63.17 47.16,63.42 47.42,63.42 47.42,63.17 47.54,63.17 47.62,63.1 47.62,62.7 47.16,62.28 39.42,62.28 39.16,62.53 39.16,64.31 39.42,64.56 42.72,64.56 42.85,64.44 42.85,62.78 42.97,62.66 44.37,62.66 44.62,62.91 ; 1 cut-out
(no net) on BOTTOM: 20.53,95.33 20.97,95.77 20.97,105.17 20.47,105.68 14.37,105.68 13.38,104.69 13.38,102.03 14.3,101.11 17.93,101.11 18.31,100.73 18.31,97.55 16.4,95.65 16.4,95.65 15.89,95.14 15.89,89.6 16,89.5 16.71,89.5 16.78,89.57 16.78,93.99 18.12,95.33